# Altium PCB Evaluation Board.PcbDoc (part 19 of 22)
Units mm, origin at the board's own origin, x right, y up, seen from the top; angles counter-clockwise.
Board outline 200 x 200 mm, 4 copper layers (Top Layer, GND, Power, Bottom Layer), stack 1.56 mm thick; 639 components, 758 nets, 3043 pads, 1306 vias.
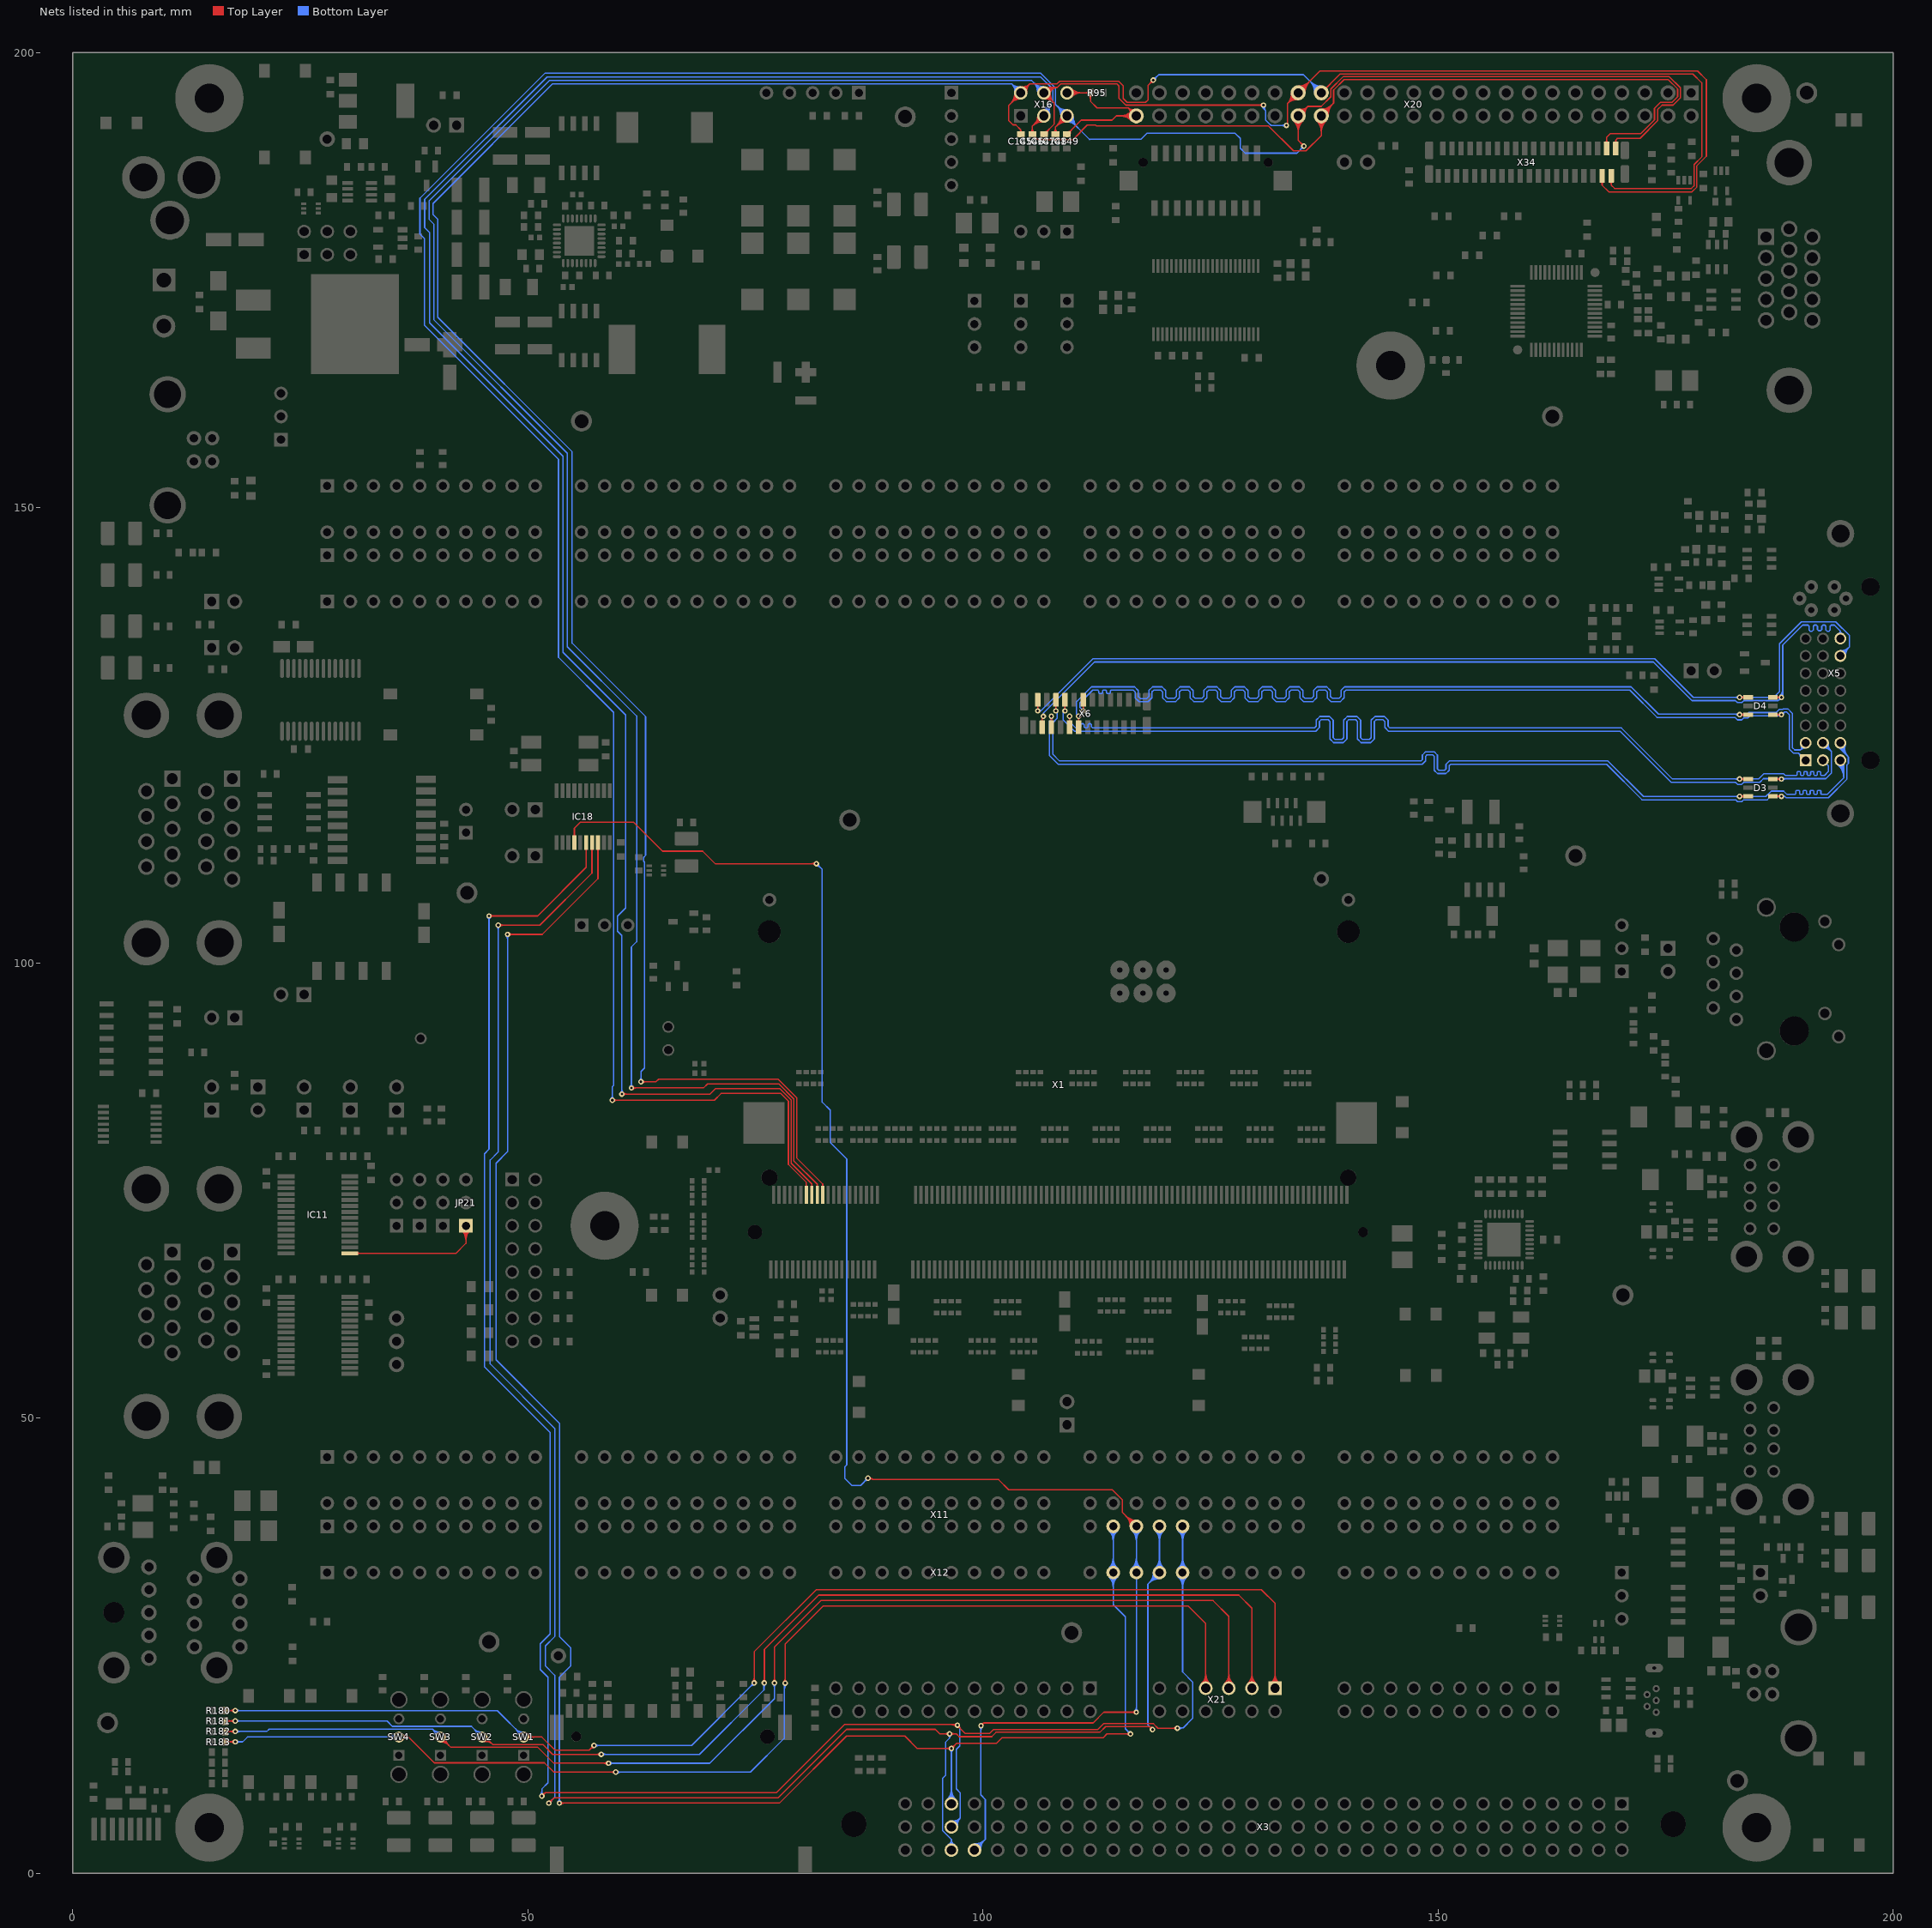
[diagram p21: the nets of this part, all layers, seen from the top]

## Via types
v1: diameter 0.6, hole 0.3, Top Layer to Bottom Layer, 1222 vias
v2: diameter 0.6, hole 0.3, Top Layer to Bottom Layer, tented both sides, 84 vias

## Nets (pads, with @x,y where several pads share a name; then routed paths per layer and width w, separated by ;. In a path a pad name is that pad's centre, name@x,y a point inside that pad or via, vN(x,y) a via of type N, cw(c..) or ccw(c..) an arc to the next point about the centre after c; other vN are vias at no path point) (continued)
SSP_FRM: IC18.18 X3.A30 X11.A32 X12.32 | length 245.2
  Top Layer w0.15: v1(47.752,103.124) 51.562,103.124 57.691,109.253 IC18.18@57.691,113.228 ; v1@47.911,102.965 cw(c48.295,102.581) 48.295,103.124 cw(c48.295,103.667) v1@47.911,103.283 ; v2(53.442,7.696) 77.621,7.696 84.987,15.062 91.395,15.062 92.758,13.7 v1(96.525,13.7) 97.075,14.25 101.45,14.25 102.073,14.873 113.197,14.873 113.614,15.291 v1(116.205,15.291) ; v2@53.601,7.537 cw(c53.985,7.153) 53.985,7.696 cw(c53.985,8.239) v2@53.601,7.855 ; IC18.18@57.585,112.547 cw(c57.329,112.291) 57.691,112.291 cw(c58.053,112.291) IC18.18@57.797,112.547 ; v1@96.366,13.541 ccw(c95.982,13.157) 95.982,13.7 ccw(c95.982,14.243) v1@96.366,13.859 ; v1@96.525,13.925 ccw(c96.525,14.468) 96.909,14.084 ccw(c97.293,13.7) v1@96.75,13.7 ; v1@116.046,15.132 ccw(c115.662,14.748) 115.662,15.291 ccw(c115.662,15.834) v1@116.046,15.45
  Bottom Layer w0.15: v1@47.593,102.965 cw(c47.209,102.581) 47.752,102.581 cw(c48.295,102.581) v1@47.911,102.965 ; v1(47.752,103.124) 47.752,79.248 46.482,77.978 46.482,56.393 53.45,49.425 53.45,26 54.7,24.75 54.7,22.775 53.442,21.517 v2(53.442,7.696) ; v2@53.283,7.855 ccw(c52.898,8.239) 53.442,8.239 ccw(c53.985,8.239) v2@53.601,7.855 ; X3.A30@96.043,8.097 ccw(c94.89,9.25) 96.52,9.25 ccw(c98.15,9.25) X3.A30@96.997,8.097 ; X3.A30@96.149,7.991 ccw(c95.253,8.887) 96.52,8.887 ccw(c97.787,8.887) X3.A30@96.891,7.991 ; X3.A30@96.255,7.885 ccw(c95.615,8.525) 96.52,8.525 ccw(c97.425,8.525) X3.A30@96.785,7.885 ; v1@96.366,13.541 cw(c95.994,13.169) 96.52,13.169 ; X3.A30@96.52,7.62 v1@96.52,13.7 ; 96.52,13.145 cw(c97.08,13.145) v1@96.684,13.541 ; X12.32@113.823,32.543 cw(c112.67,31.39) 114.3,31.39 cw(c115.93,31.39) X12.32@114.777,32.543 ; X12.32@113.823,33.497 ccw(c112.67,34.65) 114.3,34.65 ccw(c115.93,34.65) X12.32@114.777,33.497 ; X11.A32@113.823,37.623 cw(c112.67,36.47) 114.3,36.47 cw(c115.93,36.47) X11.A32@114.777,37.623 ; X12.32@113.929,32.649 cw(c113.033,31.753) 114.3,31.753 cw(c115.567,31.753) X12.32@114.671,32.649 ; X12.32@113.929,33.391 ccw(c113.033,34.287) 114.3,34.287 ccw(c115.567,34.287) X12.32@114.671,33.391 ; X11.A32@113.929,37.729 cw(c113.033,36.833) 114.3,36.833 cw(c115.567,36.833) X11.A32@114.671,37.729 ; X12.32@114.035,32.755 cw(c113.395,32.115) 114.3,32.115 cw(c115.205,32.115) X12.32@114.565,32.755 ; X12.32@114.035,33.285 ccw(c113.395,33.925) 114.3,33.925 ccw(c115.205,33.925) X12.32@114.565,33.285 ; X11.A32@114.035,37.835 cw(c113.395,37.195) 114.3,37.195 cw(c115.205,37.195) X11.A32@114.565,37.835 ; X11.A32@114.3,38.1 X12.32@114.3,33.02 114.3,29.5 115.625,28.175 115.625,15.871 v1(116.205,15.291) ; v1@115.98,15.291 ccw(c115.437,15.291) 115.821,15.675 ccw(c116.205,16.059) v1@116.205,15.516
SSP_RXD: IC18.17 X3.C30 X11.A34 X12.34 | length 251.5
  Top Layer w0.15: v1(46.736,104.14) 51.308,104.14 57.031,109.863 57.031,113.218 IC18.17@57.041,113.228 ; v1@46.895,103.981 cw(c47.279,103.597) 47.279,104.14 cw(c47.279,104.683) v1@46.895,104.299 ; v1(52.299,7.696) 52.883,8.28 77.48,8.28 85,15.8 94.75,15.8 95.25,15.3 v1(96.325,15.3) 97.07,15.3 97.37,15 100.95,15 101.423,15.473 112.823,15.473 113.466,16.116 118.276,16.116 ; v1@52.299,7.921 ccw(c52.299,8.464) 52.683,8.08 ccw(c53.067,7.696) v1@52.524,7.696 ; IC18.17@56.935,112.547 cw(c56.702,112.315) 57.031,112.315 ; 57.031,112.267 cw(c57.427,112.267) IC18.17@57.147,112.547 ; v1@96.166,15.141 ccw(c95.782,14.757) 95.782,15.3 ccw(c95.782,15.843) v1@96.166,15.459 ; v1@96.484,15.141 cw(c96.868,14.757) 96.868,15.3 cw(c96.868,15.843) v1@96.484,15.459 ; v1@118.394,15.792 ccw(c117.987,15.827) 118.276,16.116 ; v1@118.599,15.998 cw(c118.564,16.405) 118.276,16.116 ; v1(118.618,15.773) 118.276,16.116
  Bottom Layer w0.15: v1@46.577,103.981 cw(c46.193,103.597) 46.736,103.597 cw(c47.279,103.597) v1@46.895,103.981 ; v1(46.736,104.14) 46.736,79.228 45.847,78.339 45.847,55.953 52.934,48.866 52.934,25.984 51.904,24.954 51.904,22.774 52.934,21.744 52.934,8.331 v1(52.299,7.696) ; v1@52.299,7.921 ccw(c52.299,8.464) 52.683,8.08 ccw(c53.067,7.696) v1@52.524,7.696 ; X3.C30@96.186,3.127 ccw(c95.859,3.701) 96.52,3.701 ; v1@96.189,15.121 cw(c95.983,14.848) 96.325,14.848 ; X3.C30@96.26,2.996 ccw(c96.006,3.443) 96.52,3.443 ccw(c97.034,3.443) X3.C30@96.78,2.996 ; v1(96.325,15.3) 96.325,14.848 ; v1@96.461,15.121 ccw(c96.667,14.848) 96.325,14.848 ; X3.C30@96.52,2.54 96.52,3.701 ; X3.C30@96.854,3.127 cw(c97.181,3.701) 96.52,3.701 ; v1(118.618,15.773) 118.105,16.286 118.105,31.745 X12.34@119.38,33.02 X11.A34@119.38,38.1 ; X12.34@118.705,33.02 cw(c117.075,33.02) 118.228,31.868 cw(c119.38,30.715) X12.34@119.38,32.345 ; X12.34@118.855,33.02 cw(c117.588,33.02) 118.484,32.124 cw(c119.38,31.228) X12.34@119.38,32.495 ; X12.34@118.903,33.497 ccw(c117.75,34.65) 119.38,34.65 ccw(c121.01,34.65) X12.34@119.857,33.497 ; X11.A34@118.903,37.623 cw(c117.75,36.47) 119.38,36.47 cw(c121.01,36.47) X11.A34@119.857,37.623 ; X12.34@119.005,33.02 cw(c118.1,33.02) 118.74,32.38 cw(c119.38,31.74) X12.34@119.38,32.645 ; X12.34@119.009,33.391 ccw(c118.113,34.287) 119.38,34.287 ccw(c120.647,34.287) X12.34@119.751,33.391 ; X11.A34@119.009,37.729 cw(c118.113,36.833) 119.38,36.833 cw(c120.647,36.833) X11.A34@119.751,37.729 ; X12.34@119.115,33.285 ccw(c118.475,33.925) 119.38,33.925 ccw(c120.285,33.925) X12.34@119.645,33.285 ; X11.A34@119.115,37.835 cw(c118.475,37.195) 119.38,37.195 cw(c120.285,37.195) X11.A34@119.645,37.835 ; 96.325,14.848 95.9,14.423 95.9,10.786 95.545,10.431 95.545,4.676 96.52,3.701
SSP_SCLK: IC18.14 X3.C29 X11.A33 X12.33 | length 218.2
  Top Layer w0.15: IC18.14@54.985,113.909 ccw(c54.729,114.165) 55.091,114.165 ccw(c55.453,114.165) IC18.14@55.197,113.909 ; IC18.14@55.091,113.228 55.091,114.781 55.753,115.443 61.595,115.443 64.77,112.268 69.19,112.268 70.561,110.896 v1(81.686,110.896) ; v1@81.527,110.737 ccw(c81.143,110.353) 81.143,110.896 ccw(c81.143,111.44) v1@81.527,111.055 ; v1(87.351,43.383) 87.351,43.332 87.787,43.332 ; v1@87.51,43.224 cw(c87.771,42.963) 87.771,43.332 ; v1@87.554,43.48 ccw(c87.787,43.591) 87.787,43.332 ; v1(99.771,16.205) 100.071,16.505 ; v1@99.814,16.426 ccw(c99.868,16.708) 100.071,16.505 ; v1@99.992,16.248 cw(c100.274,16.302) 100.071,16.505 ; X11.A33@116.165,38.1 ccw(c114.535,38.1) 115.688,39.252 ccw(c116.84,40.405) X11.A33@116.84,38.775 ; X11.A33@116.315,38.1 ccw(c115.048,38.1) 115.944,38.996 ccw(c116.84,39.892) X11.A33@116.84,38.625 ; X11.A33@116.465,38.1 ccw(c115.56,38.1) 116.2,38.74 ccw(c116.84,39.38) X11.A33@116.84,38.475 ; v1@116.681,17.519 ccw(c116.297,17.135) 116.297,17.678 ccw(c116.297,18.222) v1@116.681,17.837 ; v1(116.84,17.678) 113.259,17.678 112.085,16.505 100.071,16.505 ; X11.A33@116.84,38.1 115.3,39.64 115.3,41.019 114.189,42.13 102.82,42.13 101.714,43.236 87.884,43.236 87.787,43.332
  Bottom Layer w0.15: v1@81.686,110.671 cw(c81.686,110.128) 82.07,110.512 cw(c82.455,110.896) v1@81.911,110.896 ; v1(81.686,110.896) 82.325,110.258 82.325,84.7 83.202,83.823 83.202,80.272 85.025,78.449 85.025,44.842 84.819,44.636 84.819,43.369 85.588,42.6 86.542,42.6 v1@87.335,43.393 ; 86.923,42.981 cw(c87.351,42.554) v1@87.351,43.158 ; 86.984,43.042 ccw(c86.644,43.383) v1@87.126,43.383 ; X3.C29@99.06,2.54 100.245,3.725 100.245,8.103 99.746,8.602 99.746,16.18 v1(99.771,16.205) ; X3.C29@99.06,2.915 ccw(c99.06,3.82) 99.7,3.18 ccw(c100.34,2.54) X3.C29@99.435,2.54 ; X3.C29@99.06,3.065 ccw(c99.06,4.332) 99.956,3.436 ccw(c100.852,2.54) X3.C29@99.585,2.54 ; X3.C29@99.06,3.215 ccw(c99.06,4.845) 100.212,3.692 ccw(c101.365,2.54) X3.C29@99.735,2.54 ; v1@99.612,16.046 cw(c99.289,15.723) 99.746,15.723 ; 99.746,15.601 cw(c100.376,15.601) v1@99.93,16.046 ; X12.33@116.363,33.497 ccw(c115.21,34.65) 116.84,34.65 ccw(c118.47,34.65) X12.33@117.317,33.497 ; X11.A33@116.363,37.623 cw(c115.21,36.47) 116.84,36.47 cw(c118.47,36.47) X11.A33@117.317,37.623 ; X12.33@116.469,33.391 ccw(c115.573,34.287) 116.84,34.287 ccw(c118.107,34.287) X12.33@117.211,33.391 ; X11.A33@116.469,37.729 cw(c115.573,36.833) 116.84,36.833 cw(c118.107,36.833) X11.A33@117.211,37.729 ; X12.33@116.575,33.285 ccw(c115.935,33.925) 116.84,33.925 ccw(c117.745,33.925) X12.33@117.105,33.285 ; X11.A33@116.575,37.835 cw(c115.935,37.195) 116.84,37.195 cw(c117.745,37.195) X11.A33@117.105,37.835 ; v1@116.681,17.837 ccw(c116.297,18.222) 116.84,18.222 ccw(c117.383,18.222) v1@116.999,17.837 ; v1(116.84,17.678) X12.33@116.84,33.02 X11.A33@116.84,38.1
SSP_TXD: IC18.16 X3.B30 X11.A35 X12.35 | length 256.6
  Top Layer w0.15: v1(45.72,105.156) 51.054,105.156 56.391,110.493 IC18.16@56.391,113.228 ; v1@45.879,104.997 cw(c46.263,104.613) 46.263,105.156 cw(c46.263,105.699) v1@45.879,105.315 ; v1(51.52,8.472) 51.912,8.865 77.315,8.865 84.774,16.324 97.106,16.324 v1(97.177,16.254) 97.177,16.198 98.025,15.35 100.725,15.35 101.148,15.773 112.598,15.773 113.241,16.416 118.718,16.416 119.209,15.925 v1(121.35,15.925) ; v1@51.52,8.697 ccw(c51.52,9.241) 51.904,8.857 ccw(c52.288,8.472) v1@51.745,8.472 ; IC18.16@56.285,112.547 cw(c56.029,112.291) 56.391,112.291 cw(c56.753,112.291) IC18.16@56.497,112.547 ; 96.464,16.324 cw(c96.464,15.541) v1@97.017,16.095 ; 96.803,16.324 ccw(c96.803,16.628) v1@97.017,16.413 ; 96.826,16.324 cw(c96.826,15.903) v1@97.124,16.201 ; v1@97.177,16.029 cw(c97.177,15.619) 97.466,15.909 ; v1@97.402,16.254 ccw(c98.078,16.254) 97.6,15.775 ; v1@121.191,15.766 ccw(c120.807,15.382) 120.807,15.925 ccw(c120.807,16.468) v1@121.191,16.084
  Bottom Layer w0.15: v1@45.561,104.997 cw(c45.177,104.613) 45.72,104.613 cw(c46.263,104.613) v1@45.879,104.997 ; v1(45.72,105.156) 45.72,79.528 45.212,79.02 45.212,55.613 52.425,48.4 52.425,26.275 51.354,25.204 51.354,22.362 52.197,21.519 52.197,9.931 51.52,9.254 v1(51.52,8.472) ; v1@51.361,8.632 ccw(c50.976,9.016) 51.52,9.016 ccw(c52.063,9.016) v1@51.679,8.632 ; X3.B30@96.52,5.08 97.495,6.055 ; X3.B30@96.567,5.452 ccw(c96.641,6.042) 97.062,5.622 ccw(c97.482,5.201) X3.B30@96.892,5.127 ; X3.B30@96.586,5.601 ccw(c96.689,6.427) 97.278,5.838 ccw(c97.867,5.249) X3.B30@97.041,5.146 ; X3.B30@96.604,5.75 ccw(c96.738,6.812) 97.495,6.055 ; v1(97.177,16.254) 97.451,15.979 97.451,13.987 97.062,13.597 97.062,9.263 97.495,8.829 97.495,6.055 ; X3.B30@97.19,5.164 cw(c98.252,5.298) 97.495,6.055 ; v1(121.35,15.925) 121.389,15.964 121.989,15.964 123.012,16.987 123.012,21.013 121.92,22.105 X12.35@121.92,33.02 X11.A35@121.92,38.1 ; X12.35@121.443,32.543 cw(c120.29,31.39) 121.92,31.39 cw(c123.55,31.39) X12.35@122.397,32.543 ; X12.35@121.443,33.497 ccw(c120.29,34.65) 121.92,34.65 ccw(c123.55,34.65) X12.35@122.397,33.497 ; X11.A35@121.443,37.623 cw(c120.29,36.47) 121.92,36.47 cw(c123.55,36.47) X11.A35@122.397,37.623 ; v1@121.509,15.766 cw(c121.987,15.288) 121.987,15.964 ; v1@121.509,16.084 ccw(c121.8,16.375) 121.8,15.964 ; X12.35@121.549,32.649 cw(c120.653,31.753) 121.92,31.753 cw(c123.187,31.753) X12.35@122.291,32.649 ; X12.35@121.549,33.391 ccw(c120.653,34.287) 121.92,34.287 ccw(c123.187,34.287) X12.35@122.291,33.391 ; X11.A35@121.549,37.729 cw(c120.653,36.833) 121.92,36.833 cw(c123.187,36.833) X11.A35@122.291,37.729 ; X12.35@121.655,32.755 cw(c121.015,32.115) 121.92,32.115 cw(c122.825,32.115) X12.35@122.185,32.755 ; X12.35@121.655,33.285 ccw(c121.015,33.925) 121.92,33.925 ccw(c122.825,33.925) X12.35@122.185,33.285 ; X11.A35@121.655,37.835 cw(c121.015,37.195) 121.92,37.195 cw(c122.825,37.195) X11.A35@122.185,37.835
SWITCH_1: R180.2 SW1.2 X21.1 | length 155.3
  Top Layer w0.15: R180.2@16.727,17.857 v1(17.832,17.857) ; R180.2@16.904,17.68 cw(c17.331,17.253) 17.331,17.857 cw(c17.331,18.46) R180.2@16.904,18.034 ; v1@17.673,17.698 ccw(c17.289,17.314) 17.289,17.857 ccw(c17.289,18.4) v1@17.673,18.016 ; SW1.2@49.53,14.954 51.521,14.954 52.975,13.5 56.725,13.5 v2(57.25,14.025) ; SW1.2@49.795,14.689 cw(c50.435,14.049) 50.435,14.954 cw(c50.435,15.859) SW1.2@49.795,15.219 ; SW1.2@49.901,14.583 cw(c50.797,13.687) 50.797,14.954 cw(c50.797,16.221) SW1.2@49.901,15.325 ; v2@57.025,14.025 cw(c56.482,14.025) 56.866,13.641 cw(c57.25,13.257) v2@57.25,13.8 ; v1@74.691,21.059 ccw(c74.307,21.443) 74.85,21.443 ccw(c75.393,21.443) v1@75.009,21.059 ; v1@74.85,20.925 74.85,24.318 81.677,31.145 130.58,31.145 132.08,29.645 X21.1@132.08,20.32 ; X21.1@131.603,20.797 ccw(c130.45,21.95) 132.08,21.95 ccw(c133.71,21.95) X21.1@132.557,20.797 ; X21.1@131.709,20.691 ccw(c130.813,21.587) 132.08,21.587 ccw(c133.347,21.587) X21.1@132.451,20.691 ; X21.1@131.815,20.585 ccw(c131.175,21.225) 132.08,21.225 ccw(c132.985,21.225) X21.1@132.345,20.585
  Bottom Layer w0.15: v1(17.832,17.857) 46.627,17.857 SW1.2@49.53,14.954 ; v1@17.991,17.698 cw(c18.375,17.314) 18.375,17.857 cw(c18.375,18.4) v1@17.991,18.016 ; 48.634,15.85 cw(c47.738,14.954) SW1.2@49.005,14.954 ; 48.634,15.85 ccw(c49.53,16.746) SW1.2@49.53,15.479 ; SW1.2@49.155,14.954 ccw(c48.25,14.954) 48.89,15.594 ccw(c49.53,16.234) SW1.2@49.53,15.329 ; v2(57.25,14.025) 67.975,14.025 v1(74.85,20.9) ; v2@57.409,13.866 cw(c57.793,13.482) 57.793,14.025 cw(c57.793,14.568) v2@57.409,14.184 ; v1@74.625,20.9 cw(c74.082,20.9) 74.466,20.516 cw(c74.85,20.132) v1@74.85,20.675
SWITCH_2: R181.2 SW2.2 X21.3 | length 152.9
  Top Layer w0.15: R181.2@16.727,16.714 v1(17.832,16.714) ; R181.2@16.904,16.537 cw(c17.331,16.111) 17.331,16.714 cw(c17.331,17.318) R181.2@16.904,16.891 ; v1@17.673,16.555 ccw(c17.289,16.171) 17.289,16.714 ccw(c17.289,17.257) v1@17.673,16.873 ; SW2.2@44.958,14.954 45.325,14.954 46.15,14.129 ; SW2.2@44.974,14.881 cw(c45.115,14.251) 45.571,14.707 ; SW2.2@45.007,14.734 cw(c45.186,13.936) 45.764,14.515 ; SW2.2@45.04,14.588 cw(c45.257,13.621) 45.957,14.322 ; SW2.2@45.073,14.442 cw(c45.327,13.306) 46.15,14.129 ; SW2.2@45.483,14.954 ccw(c45.864,14.954) 45.595,14.684 ; v2@57.891,12.891 ccw(c57.507,12.507) 57.507,13.05 ccw(c57.507,13.593) v2@57.891,13.209 ; v2(58.05,13.05) 52.725,13.05 51.646,14.129 46.15,14.129 ; v1@75.803,21.059 ccw(c75.389,21.473) 75.975,21.473 ; v1@75.975,20.9 75.975,24.595 81.925,30.545 128.106,30.545 129.54,29.111 X21.3@129.54,20.32 ; 75.975,21.413 ccw(c76.476,21.413) v1@76.122,21.059 ; X21.3@129.063,20.797 ccw(c127.91,21.95) 129.54,21.95 ccw(c131.17,21.95) X21.3@130.017,20.797 ; X21.3@129.169,20.691 ccw(c128.273,21.587) 129.54,21.587 ccw(c130.807,21.587) X21.3@129.911,20.691 ; X21.3@129.275,20.585 ccw(c128.635,21.225) 129.54,21.225 ccw(c130.445,21.225) X21.3@129.805,20.585
  Bottom Layer w0.15: v1(17.832,16.714) 34.515,16.714 35.1,16.129 43.78,16.129 43.782,16.13 SW2.2@44.958,14.954 ; v1@17.991,16.555 cw(c18.375,16.171) 18.375,16.714 cw(c18.375,17.257) v1@17.991,16.873 ; 44.062,15.85 cw(c43.166,14.954) SW2.2@44.433,14.954 ; 44.062,15.85 ccw(c44.958,16.746) SW2.2@44.958,15.479 ; SW2.2@44.583,14.954 ccw(c43.678,14.954) 44.318,15.594 ccw(c44.958,16.234) SW2.2@44.958,15.329 ; v2(58.05,13.05) 68.842,13.05 75.925,20.133 75.925,20.862 v1(75.962,20.9) ; v2@58.209,12.891 cw(c58.593,12.507) 58.593,13.05 cw(c58.593,13.593) v2@58.209,13.209 ; v1@75.803,20.741 cw(c75.51,20.447) 75.925,20.447 ; 75.925,20.266 cw(c76.596,20.266) v1@76.122,20.741
SWITCH_3: R182.2 SW3.2 X21.5 | length 150
  Top Layer w0.15: R182.2@16.727,15.572 v1(17.832,15.572) ; R182.2@16.904,15.395 cw(c17.331,14.968) 17.331,15.572 cw(c17.331,16.175) R182.2@16.904,15.748 ; v1@17.673,15.413 ccw(c17.289,15.029) 17.289,15.572 ccw(c17.289,16.115) v1@17.673,15.731 ; SW3.2@40.386,14.429 cw(c40.386,13.162) 41.282,14.058 cw(c42.178,14.954) SW3.2@40.911,14.954 ; SW3.2@40.386,14.579 cw(c40.386,13.674) 41.026,14.314 cw(c41.666,14.954) SW3.2@40.761,14.954 ; SW3.2@40.386,14.954 41.515,13.825 51.082,13.825 52.828,12.079 58.846,12.079 v2(58.85,12.075) ; 58.297,12.079 cw(c58.297,11.522) v2@58.691,11.916 ; 58.316,12.079 ccw(c58.316,12.609) v2@58.691,12.234 ; v1@76.916,21.059 ccw(c76.532,21.443) 77.075,21.443 ccw(c77.618,21.443) v1@77.234,21.059 ; v1@77.075,20.925 77.075,24.846 82.174,29.945 125.28,29.945 127,28.225 X21.5@127,20.32 ; X21.5@126.523,20.797 ccw(c125.37,21.95) 127,21.95 ccw(c128.63,21.95) X21.5@127.477,20.797 ; X21.5@126.629,20.691 ccw(c125.733,21.587) 127,21.587 ccw(c128.267,21.587) X21.5@127.371,20.691 ; X21.5@126.735,20.585 ccw(c126.095,21.225) 127,21.225 ccw(c127.905,21.225) X21.5@127.265,20.585
  Bottom Layer w0.15: v1(17.832,15.572) 21.297,15.572 21.554,15.829 39.511,15.829 ; v1@17.991,15.413 cw(c18.375,15.029) 18.375,15.572 cw(c18.375,16.115) v1@17.991,15.731 ; SW3.2@39.861,14.963 ccw(c38.666,14.983) 39.511,15.829 ; SW3.2@40.011,14.96 ccw(c39.157,14.975) 39.761,15.579 ccw(c40.365,16.183) SW3.2@40.38,15.329 ; SW3.2@40.377,15.479 cw(c40.357,16.674) 39.511,15.829 ; SW3.2@40.386,14.954 39.511,15.829 ; v2(58.85,12.075) 69.975,12.075 77.075,19.175 v1(77.075,20.9) ; v2@59.009,11.916 cw(c59.393,11.532) 59.393,12.075 cw(c59.393,12.618) v2@59.009,12.234 ; v1@76.916,20.741 cw(c76.532,20.357) 77.075,20.357 cw(c77.618,20.357) v1@77.234,20.741
SWITCH_4: R183.2 SW4.2 X21.7 | length 149.6
  Top Layer w0.15: R183.2@16.727,14.429 v1(17.832,14.429) ; R183.2@16.904,14.252 cw(c17.331,13.826) 17.331,14.429 cw(c17.331,15.033) R183.2@16.904,14.606 ; v1@17.673,14.27 ccw(c17.289,13.886) 17.289,14.429 ccw(c17.289,14.972) v1@17.673,14.588 ; SW4.2@35.814,14.954 36.868,14.954 ; SW4.2@36.113,14.728 cw(c36.567,14.386) 36.567,14.954 cw(c36.567,15.522) SW4.2@36.113,15.18 ; SW4.2@36.233,14.638 cw(c36.868,14.159) 36.868,14.954 ; SW4.2@36.233,15.27 ccw(c36.868,15.749) 36.868,14.954 ; v2@59.491,10.941 ccw(c59.107,10.557) 59.107,11.1 ccw(c59.107,11.643) v2@59.491,11.259 ; v2(59.65,11.1) 52.825,11.1 51.8,12.125 39.697,12.125 36.868,14.954 ; v1@78.091,21.034 ccw(c77.707,21.418) 78.25,21.418 ccw(c78.793,21.418) v1@78.409,21.034 ; v1(78.25,20.875) 78.25,25.173 82.422,29.345 122.53,29.345 124.46,27.415 X21.7@124.46,20.32 ; X21.7@123.983,20.797 ccw(c122.83,21.95) 124.46,21.95 ccw(c126.09,21.95) X21.7@124.937,20.797 ; X21.7@124.089,20.691 ccw(c123.193,21.587) 124.46,21.587 ccw(c125.727,21.587) X21.7@124.831,20.691 ; X21.7@124.195,20.585 ccw(c123.555,21.225) 124.46,21.225 ccw(c125.365,21.225) X21.7@124.725,20.585
  Bottom Layer w0.15: v1(17.832,14.429) 18.654,14.429 19.179,14.954 SW4.2@35.814,14.954 SW4.2@35.66,14.8 ; v1@17.991,14.27 cw(c18.375,13.886) 18.375,14.429 cw(c18.375,14.972) v1@17.991,14.588 ; SW4.2@35.443,14.583 ccw(c34.547,13.687) 34.547,14.954 ccw(c34.547,16.221) SW4.2@35.443,15.325 ; SW4.2@35.549,14.689 ccw(c34.909,14.049) 34.909,14.954 ccw(c34.909,15.859) SW4.2@35.549,15.219 ; v2(59.65,11.1) 74.45,11.1 78.15,14.8 78.15,20.775 v1(78.25,20.875) ; v2@59.809,10.941 cw(c60.193,10.557) 60.193,11.1 cw(c60.193,11.643) v2@59.809,11.259 ; v1@78.091,20.716 cw(c77.948,20.573) 78.15,20.573 ; 78.15,20.09 cw(c79.035,20.09) v1@78.409,20.716 ; 78.15,20.453 cw(c78.672,20.453) v1@78.303,20.822
TMDS_CLK_N: D4.6 X5.24 X6.3 | length 108.9
  Top Layer w0.152: X6.3@106.502,125.891 106.502,126.965 v2(106.613,127.076) ; D4.6@186.77,129.167 v1@187.714,129.167 ; D4.6@187.172,129.167 cw(c187.172,128.623) v1@187.557,129.008 ; D4.6@187.177,129.167 ccw(c187.177,129.704) v1@187.557,129.324
  Bottom Layer w0.152: v2(106.613,127.076) 106.613,127.433 112.23,133.05 116,133.05 173.65,133.05 177.882,128.818 182.656,128.818 182.885,128.588 183.365,128.588 183.594,128.818 187.367,128.818 ; v1@187.492,129.151 cw(c187.063,129.121) 187.367,128.818 ; v1@187.557,129.324 ccw(c186.828,130.052) 187.858,130.052 ; v1@187.665,129.216 ccw(c187.196,129.684) 187.858,129.684 ; v1@187.7,128.943 ccw(c187.671,128.514) 187.367,128.818 ; X5.24@193.992,136.166 ccw(c193.889,136.449) 194.19,136.449 ; X5.24@194.19,135.628 194.19,136.449 ; X5.24@194.388,136.166 cw(c194.491,136.449) 194.19,136.449 ; 187.367,128.818 v1(187.715,129.166) 187.858,129.309 187.858,134.907 190.061,137.109 190.292,137.109 190.639,137.109 190.754,136.994 190.754,136.558 190.87,136.442 191.101,136.442 191.217,136.558 191.217,136.994 191.332,137.109 191.564,137.109 191.679,136.994 191.679,136.615 191.795,136.499 192.026,136.499 192.142,136.615 192.142,136.994 192.257,137.109 192.488,137.109 192.604,136.994 192.604,136.558 192.72,136.442 192.951,136.442 193.066,136.558 193.066,136.994 193.182,137.109 193.53,137.109 194.19,136.449